# KiCad board panel-16.kicad_pcb (continued)
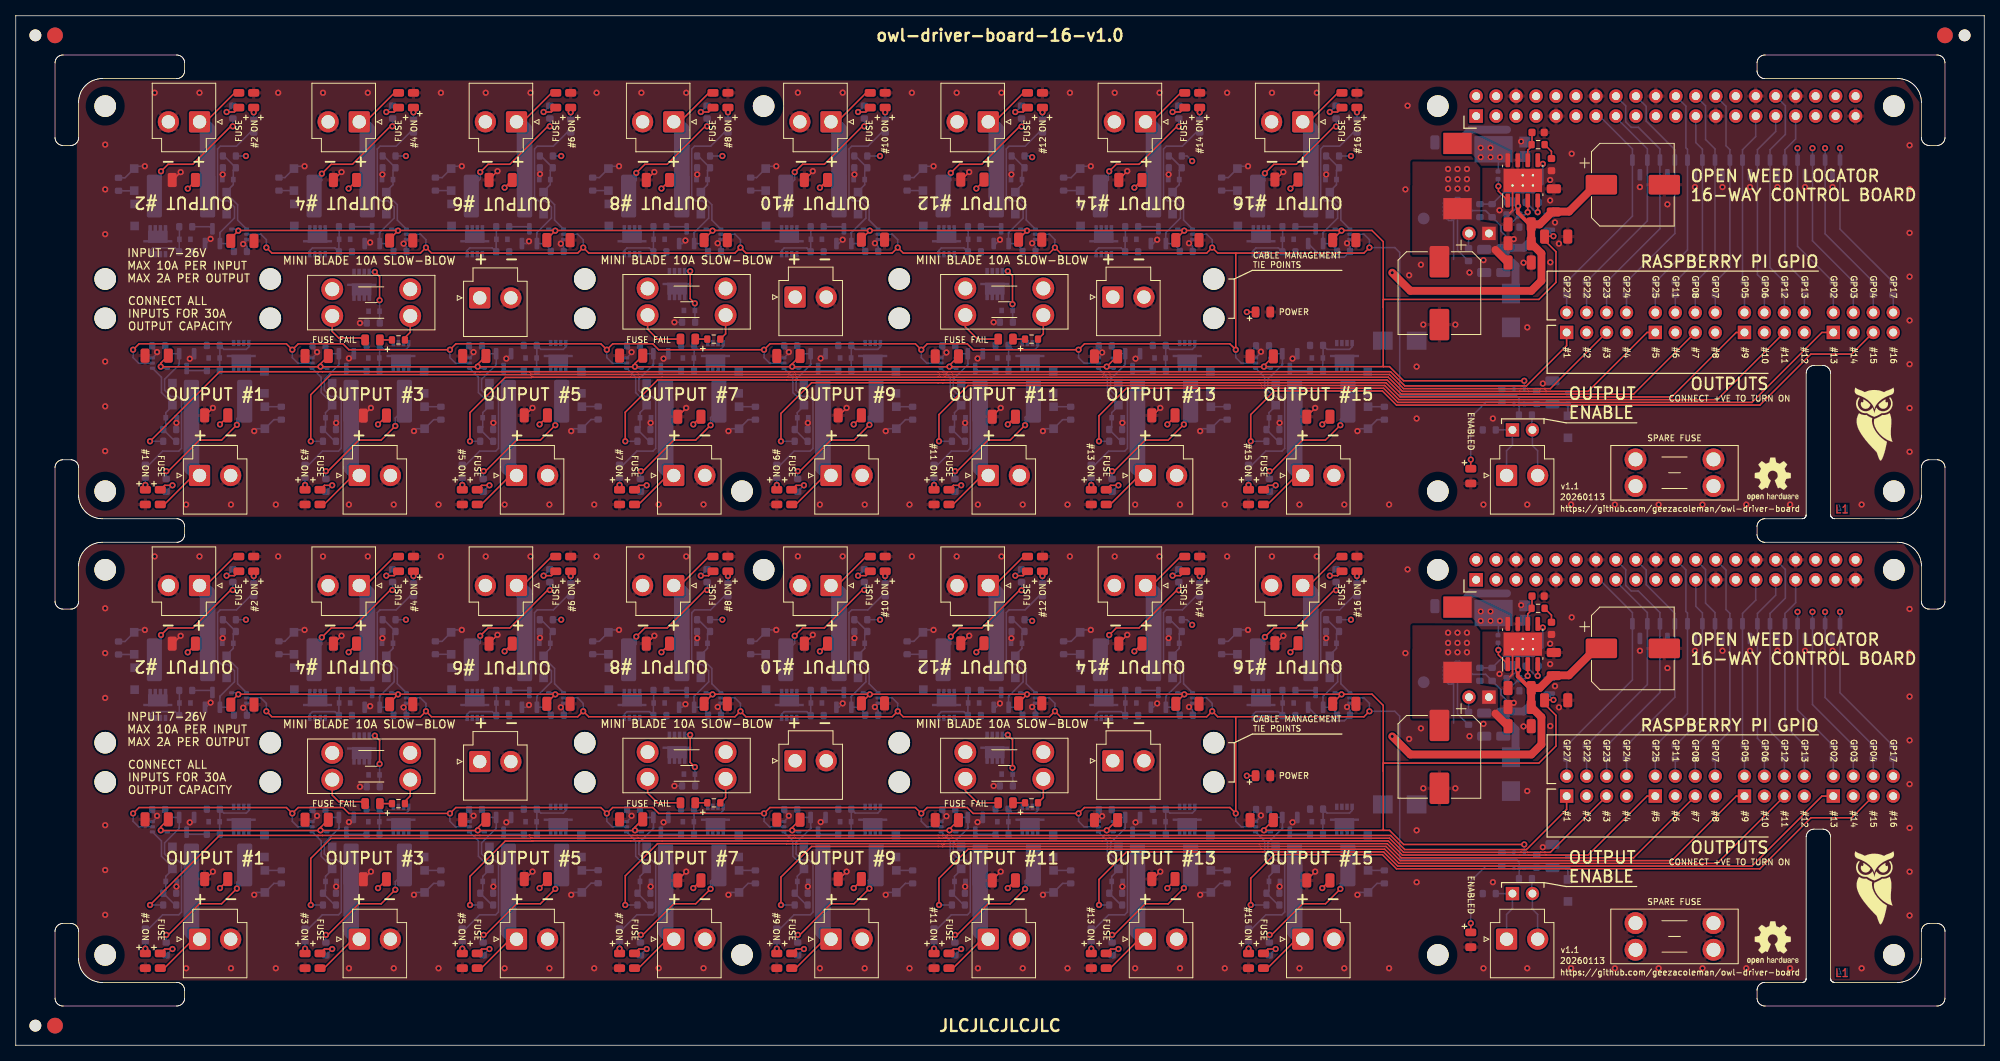
[diagram p0: board, top side]
## Placement (name value [footprint] x y rotation side) (continued)
D117  DSK34  [D_SOD-123F_silkpolarity]  172 20.85 270 bottom
D117#2  DSK34  [D_SOD-123F_silkpolarity]  172 79.85 270 bottom
D118  KT-0805Y  [LED_0805_2012Metric]  158.7 69.75 90 top
D118#2  KT-0805Y  [LED_0805_2012Metric]  158.7 10.75 90 top
D119  DSK34  [D_SOD-123F_silkpolarity]  167.14 48.15 90 bottom
D119#2  DSK34  [D_SOD-123F_silkpolarity]  167.14 107.15 90 bottom
D120  BZT52C5V1T  [D_SOD-523_silkpolarity]  167.29 110.15 180 bottom
D120#2  BZT52C5V1T  [D_SOD-523_silkpolarity]  167.29 51.15 180 bottom
D121  KT-0805G  [LED_0805_2012Metric]  170.59 120.25 270 top
D121#2  KT-0805G  [LED_0805_2012Metric]  170.59 61.25 270 top
D122  BZT585B13T-7 13V  [D_SOD-523_silkpolarity]  161.84 43.55 180 bottom
D122#2  BZT585B13T-7 13V  [D_SOD-523_silkpolarity]  161.84 102.55 180 bottom
D123  DSK34  [D_SOD-123F_silkpolarity]  155.44 46.65 90 bottom
D123#2  DSK34  [D_SOD-123F_silkpolarity]  155.44 105.65 90 bottom
D124  DSK34  [D_SOD-123F_silkpolarity]  155.39 51.15 90 bottom
D124#2  DSK34  [D_SOD-123F_silkpolarity]  155.39 110.15 90 bottom
D125  KT-0805Y  [LED_0805_2012Metric]  168.69 120.25 270 top
D125#2  KT-0805Y  [LED_0805_2012Metric]  168.69 61.25 270 top
D126  AZ23C3V3  [SOT-23_nosilk]  213.58 52.7 270 bottom
D126#2  AZ23C3V3  [SOT-23_nosilk]  213.58 111.7 270 bottom
D127  AZ23C3V3  [SOT-23_nosilk]  217.08 111.7 270 bottom
D127#2  AZ23C3V3  [SOT-23_nosilk]  217.08 52.7 270 bottom
D128  AZ23C3V3  [SOT-23_nosilk]  227.58 111.7 270 bottom
D128#2  AZ23C3V3  [SOT-23_nosilk]  227.58 52.7 270 bottom
D129  AZ23C3V3  [SOT-23_nosilk]  231.08 111.7 270 bottom
D129#2  AZ23C3V3  [SOT-23_nosilk]  231.08 52.7 270 bottom
D130  AZ23C3V3  [SOT-23_nosilk]  224.08 52.7 270 bottom
D130#2  AZ23C3V3  [SOT-23_nosilk]  224.08 111.7 270 bottom
D131  AZ23C3V3  [SOT-23_nosilk]  220.58 111.7 270 bottom
D131#2  AZ23C3V3  [SOT-23_nosilk]  220.58 52.7 270 bottom
D132  KT-0805Y  [LED_0805_2012Metric]  125.9 30.85 0 top
D132#2  KT-0805Y  [LED_0805_2012Metric]  125.9 89.85 0 top
D133  BZT52C5V1T  [D_SOD-523_silkpolarity]  126.1 93.5 0 bottom
D133#2  BZT52C5V1T  [D_SOD-523_silkpolarity]  126.1 34.5 0 bottom
F1  XF-508P-B-B  [Fuseholder_Blade_Mini_Keystone_3568]  50.18 33.8 180 top
F1#2  XF-508P-B-B  [Fuseholder_Blade_Mini_Keystone_3568]  50.18 92.8 180 top
F2  2920L200DR  [Fuse_2920_7451Metric_nosilk]  25.74 22.95 180 bottom
F2#2  2920L200DR  [Fuse_2920_7451Metric_nosilk]  25.74 81.95 180 bottom
F3  2920L200DR  [Fuse_2920_7451Metric_nosilk]  21.02 49.05 0 bottom
F3#2  2920L200DR  [Fuse_2920_7451Metric_nosilk]  21.02 108.05 0 bottom
F4  2920L200DR  [Fuse_2920_7451Metric_nosilk]  46.05 81.95 180 bottom
F4#2  2920L200DR  [Fuse_2920_7451Metric_nosilk]  46.05 22.95 180 bottom
F5  2920L200DR  [Fuse_2920_7451Metric_nosilk]  41.34 108.05 0 bottom
F5#2  2920L200DR  [Fuse_2920_7451Metric_nosilk]  41.34 49.05 0 bottom
F6  2920L200DR  [Fuse_2920_7451Metric_nosilk]  66.05 81.95 180 bottom
F6#2  2920L200DR  [Fuse_2920_7451Metric_nosilk]  66.05 22.95 180 bottom
F7  2920L200DR  [Fuse_2920_7451Metric_nosilk]  61.34 108.05 0 bottom
F7#2  2920L200DR  [Fuse_2920_7451Metric_nosilk]  61.34 49.05 0 bottom
F8  2920L200DR  [Fuse_2920_7451Metric_nosilk]  86.05 22.95 180 bottom
F8#2  2920L200DR  [Fuse_2920_7451Metric_nosilk]  86.05 81.95 180 bottom
F9  2920L200DR  [Fuse_2920_7451Metric_nosilk]  81.34 49.05 0 bottom
F9#2  2920L200DR  [Fuse_2920_7451Metric_nosilk]  81.34 108.05 0 bottom
F10  2920L200DR  [Fuse_2920_7451Metric_nosilk]  106.05 22.95 180 bottom
F10#2  2920L200DR  [Fuse_2920_7451Metric_nosilk]  106.05 81.95 180 bottom
F11  2920L200DR  [Fuse_2920_7451Metric_nosilk]  101.34 108.05 0 bottom
F11#2  2920L200DR  [Fuse_2920_7451Metric_nosilk]  101.34 49.05 0 bottom
F12  2920L200DR  [Fuse_2920_7451Metric_nosilk]  126.05 22.95 180 bottom
F12#2  2920L200DR  [Fuse_2920_7451Metric_nosilk]  126.05 81.95 180 bottom
F13  2920L200DR  [Fuse_2920_7451Metric_nosilk]  121.34 108.05 0 bottom
F13#2  2920L200DR  [Fuse_2920_7451Metric_nosilk]  121.34 49.05 0 bottom
F14  2920L200DR  [Fuse_2920_7451Metric_nosilk]  146.05 81.95 180 bottom
F14#2  2920L200DR  [Fuse_2920_7451Metric_nosilk]  146.05 22.95 180 bottom
F15  2920L200DR  [Fuse_2920_7451Metric_nosilk]  141.34 108.05 0 bottom
F15#2  2920L200DR  [Fuse_2920_7451Metric_nosilk]  141.34 49.05 0 bottom
F16  2920L200DR  [Fuse_2920_7451Metric_nosilk]  166.05 81.95 180 bottom
F16#2  2920L200DR  [Fuse_2920_7451Metric_nosilk]  166.05 22.95 180 bottom
F17  2920L200DR  [Fuse_2920_7451Metric_nosilk]  161.34 108.05 0 bottom
F17#2  2920L200DR  [Fuse_2920_7451Metric_nosilk]  161.34 49.05 0 bottom
F18  XF-508P-B-B  [Fuseholder_Blade_Mini_Keystone_3568]  90.29 92.9 180 top
F18#2  XF-508P-B-B  [Fuseholder_Blade_Mini_Keystone_3568]  90.29 33.9 180 top
F19  XF-508P-B-B  [Fuseholder_Blade_Mini_Keystone_3568]  130.7 92.9 180 top
F19#2  XF-508P-B-B  [Fuseholder_Blade_Mini_Keystone_3568]  130.7 33.9 180 top
F20  XF-508P-B-B  [Fuseholder_Blade_Mini_Keystone_3568]  206.02 15.55 0 top
F20#2  XF-508P-B-B  [Fuseholder_Blade_Mini_Keystone_3568]  206.02 74.55 0 top
J2  RASPBERRYPI-40-PIN-GPIO  [Pin_Header_Straight_2x20]  209.88 119.5 90 top
J2#2  RASPBERRYPI-40-PIN-GPIO  [Pin_Header_Straight_2x20]  209.88 60.5 90 top
J3  1890963  [JST_VH_B2P-VH_1x02_P3.96mm_Vertical]  59.02 36.1 0 top
J3#2  1890963  [JST_VH_B2P-VH_1x02_P3.96mm_Vertical]  59.02 95.1 0 top
J4  1890963  [JST_VH_B2P-VH_1x02_P3.96mm_Vertical]  23.38 13.5 0 top
J4#2  1890963  [JST_VH_B2P-VH_1x02_P3.96mm_Vertical]  23.38 72.5 0 top
J5  1890963  [JST_VH_B2P-VH_1x02_P3.96mm_Vertical]  23.38 58.5 180 top
J5#2  1890963  [JST_VH_B2P-VH_1x02_P3.96mm_Vertical]  23.38 117.5 180 top
J6  CONN_04X2  [Connector_PinHeader_2x04_P2.54mm_Vertical_nosilk]  197.26 90.7 90 top
J6#2  CONN_04X2  [Connector_PinHeader_2x04_P2.54mm_Vertical_nosilk]  197.26 31.7 90 top
J7  1890963  [JST_VH_B2P-VH_1x02_P3.96mm_Vertical]  43.69 13.5 0 top
J7#2  1890963  [JST_VH_B2P-VH_1x02_P3.96mm_Vertical]  43.69 72.5 0 top
J8  1890963  [JST_VH_B2P-VH_1x02_P3.96mm_Vertical]  43.69 117.5 180 top
J8#2  1890963  [JST_VH_B2P-VH_1x02_P3.96mm_Vertical]  43.69 58.5 180 top
J9  PI 5V  [PinHeader_1x02_P2.54mm_Vertical_nosilk]  187.38 44.3 270 top
J9#2  PI 5V  [PinHeader_1x02_P2.54mm_Vertical_nosilk]  187.38 103.3 270 top
J10  1890963  [JST_VH_B2P-VH_1x02_P3.96mm_Vertical]  189.62 13.5 0 top
J10#2  1890963  [JST_VH_B2P-VH_1x02_P3.96mm_Vertical]  189.62 72.5 0 top
J11  ENABLE  [PinHeader_1x02_P2.54mm_Vertical_nosilk]  190.37 78.3 90 top
J11#2  ENABLE  [PinHeader_1x02_P2.54mm_Vertical_nosilk]  190.37 19.3 90 top
J12  1890963  [JST_VH_B2P-VH_1x02_P3.96mm_Vertical]  63.69 13.5 0 top
J12#2  1890963  [JST_VH_B2P-VH_1x02_P3.96mm_Vertical]  63.69 72.5 0 top
J13  1890963  [JST_VH_B2P-VH_1x02_P3.96mm_Vertical]  63.69 58.5 180 top
J13#2  1890963  [JST_VH_B2P-VH_1x02_P3.96mm_Vertical]  63.69 117.5 180 top
J14  1890963  [JST_VH_B2P-VH_1x02_P3.96mm_Vertical]  83.69 72.5 0 top
J14#2  1890963  [JST_VH_B2P-VH_1x02_P3.96mm_Vertical]  83.69 13.5 0 top
J15  1890963  [JST_VH_B2P-VH_1x02_P3.96mm_Vertical]  83.69 58.5 180 top
J15#2  1890963  [JST_VH_B2P-VH_1x02_P3.96mm_Vertical]  83.69 117.5 180 top
J16  1890963  [JST_VH_B2P-VH_1x02_P3.96mm_Vertical]  103.69 72.5 0 top
J16#2  1890963  [JST_VH_B2P-VH_1x02_P3.96mm_Vertical]  103.69 13.5 0 top
J17  1890963  [JST_VH_B2P-VH_1x02_P3.96mm_Vertical]  103.69 117.5 180 top
J17#2  1890963  [JST_VH_B2P-VH_1x02_P3.96mm_Vertical]  103.69 58.5 180 top
J18  1890963  [JST_VH_B2P-VH_1x02_P3.96mm_Vertical]  123.69 72.5 0 top
J18#2  1890963  [JST_VH_B2P-VH_1x02_P3.96mm_Vertical]  123.69 13.5 0 top
J19  1890963  [JST_VH_B2P-VH_1x02_P3.96mm_Vertical]  123.69 58.5 180 top
J19#2  1890963  [JST_VH_B2P-VH_1x02_P3.96mm_Vertical]  123.69 117.5 180 top
J20  1890963  [JST_VH_B2P-VH_1x02_P3.96mm_Vertical]  143.69 72.5 0 top
J20#2  1890963  [JST_VH_B2P-VH_1x02_P3.96mm_Vertical]  143.69 13.5 0 top
J21  1890963  [JST_VH_B2P-VH_1x02_P3.96mm_Vertical]  143.69 117.5 180 top
J21#2  1890963  [JST_VH_B2P-VH_1x02_P3.96mm_Vertical]  143.69 58.5 180 top
J22  1890963  [JST_VH_B2P-VH_1x02_P3.96mm_Vertical]  163.69 72.5 0 top
J22#2  1890963  [JST_VH_B2P-VH_1x02_P3.96mm_Vertical]  163.69 13.5 0 top
J23  1890963  [JST_VH_B2P-VH_1x02_P3.96mm_Vertical]  163.69 58.5 180 top
J23#2  1890963  [JST_VH_B2P-VH_1x02_P3.96mm_Vertical]  163.69 117.5 180 top
J24  1890963  [JST_VH_B2P-VH_1x02_P3.96mm_Vertical]  99.13 36.2 0 top
J24#2  1890963  [JST_VH_B2P-VH_1x02_P3.96mm_Vertical]  99.13 95.2 0 top
J25  CONN_04X2  [Connector_PinHeader_2x04_P2.54mm_Vertical_nosilk]  208.54 90.7 90 top
J25#2  CONN_04X2  [Connector_PinHeader_2x04_P2.54mm_Vertical_nosilk]  208.54 31.7 90 top
J26  1890963  [JST_VH_B2P-VH_1x02_P3.96mm_Vertical]  139.54 36.2 0 top
J26#2  1890963  [JST_VH_B2P-VH_1x02_P3.96mm_Vertical]  139.54 95.2 0 top
J27  CONN_04X2  [Connector_PinHeader_2x04_P2.54mm_Vertical_nosilk]  219.88 31.7 90 top
J27#2  CONN_04X2  [Connector_PinHeader_2x04_P2.54mm_Vertical_nosilk]  219.88 90.7 90 top
J29  CONN_04X2  [Connector_PinHeader_2x04_P2.54mm_Vertical_nosilk]  231.18 90.7 90 top
J29#2  CONN_04X2  [Connector_PinHeader_2x04_P2.54mm_Vertical_nosilk]  231.18 31.7 90 top
KiKit_FID_B_1  -  [Fiducial]  5 128.5 180 bottom
KiKit_FID_B_2  -  [Fiducial]  245.38 128.5 180 bottom
KiKit_FID_B_3  -  [Fiducial]  5 2.5 180 bottom
KiKit_FID_T_1  -  [Fiducial]  5 128.5 0 top
KiKit_FID_T_2  -  [Fiducial]  245.38 128.5 0 top
KiKit_FID_T_3  -  [Fiducial]  5 2.5 0 top
KiKit_TO_1  -  [NPTH]  2.5 128.5 0 top
KiKit_TO_2  -  [NPTH]  247.88 128.5 0 top
KiKit_TO_3  -  [NPTH]  2.5 2.5 0 top
L1  10uH  [L_10.4x10.4_H4.8]  183.38 51.6 270 top
L1#2  10uH  [L_10.4x10.4_H4.8]  183.38 110.6 270 top
LOGO1  -  [OSHW-Logo2_7.3x6mm_SilkScreen]  223.48 13.03 0 top
LOGO1#2  -  [OSHW-Logo2_7.3x6mm_SilkScreen]  223.48 72.03 0 top
NPTH1  -  [RPi_Hat_Mounting_Hole]  95.13 60.5 0 top
NPTH1#2  -  [RPi_Hat_Mounting_Hole]  95.13 119.5 0 top
NPTH2  -  [RPi_Hat_Mounting_Hole]  11.38 119.5 0 top
NPTH2#2  -  [RPi_Hat_Mounting_Hole]  11.38 60.5 0 top
NPTH3  -  [RPi_Hat_Mounting_Hole]  11.38 70.5 0 top
NPTH3#2  -  [RPi_Hat_Mounting_Hole]  11.38 11.5 0 top
NPTH4  -  [RPi_Hat_Mounting_Hole]  92.38 70.5 0 top
NPTH4#2  -  [RPi_Hat_Mounting_Hole]  92.38 11.5 0 top
NPTH5  -  [RPi_Hat_Mounting_Hole]  11.38 97.5 0 top
NPTH5#2  -  [RPi_Hat_Mounting_Hole]  11.38 38.5 0 top
NPTH6  -  [RPi_Hat_Mounting_Hole]  11.38 33.5 0 top
NPTH6#2  -  [RPi_Hat_Mounting_Hole]  11.38 92.5 0 top
NPTH7  -  [RPi_Hat_Mounting_Hole]  32.38 97.5 0 top
NPTH7#2  -  [RPi_Hat_Mounting_Hole]  32.38 38.5 0 top
NPTH8  -  [RPi_Hat_Mounting_Hole]  32.38 33.5 0 top
NPTH8#2  -  [RPi_Hat_Mounting_Hole]  32.38 92.5 0 top
NPTH9  -  [RPi_Hat_Mounting_Hole]  72.38 97.5 0 top
NPTH9#2  -  [RPi_Hat_Mounting_Hole]  72.38 38.5 0 top
NPTH10  -  [RPi_Hat_Mounting_Hole]  72.38 92.5 0 top
NPTH10#2  -  [RPi_Hat_Mounting_Hole]  72.38 33.5 0 top
NPTH11  -  [RPi_Hat_Mounting_Hole]  112.38 38.5 0 top
NPTH11#2  -  [RPi_Hat_Mounting_Hole]  112.38 97.5 0 top
NPTH12  -  [RPi_Hat_Mounting_Hole]  112.38 33.5 0 top
NPTH12#2  -  [RPi_Hat_Mounting_Hole]  112.38 92.5 0 top
NPTH13  -  [RPi_Hat_Mounting_Hole]  152.38 97.5 0 top
NPTH13#2  -  [RPi_Hat_Mounting_Hole]  152.38 38.5 0 top
NPTH14  -  [RPi_Hat_Mounting_Hole]  152.38 92.5 0 top
NPTH14#2  -  [RPi_Hat_Mounting_Hole]  152.38 33.5 0 top
PI1  -  [RPi_Hat_Mounting_Hole]  238.88 60.5 0 top
PI1#2  -  [RPi_Hat_Mounting_Hole]  238.88 119.5 0 top
PI2  -  [RPi_Hat_Mounting_Hole]  238.88 11.5 0 top
PI2#2  -  [RPi_Hat_Mounting_Hole]  238.88 70.5 0 top
PI3  -  [RPi_Hat_Mounting_Hole]  180.88 60.5 0 top
PI3#2  -  [RPi_Hat_Mounting_Hole]  180.88 119.5 0 top
PI4  -  [RPi_Hat_Mounting_Hole]  180.88 70.5 0 top
PI4#2  -  [RPi_Hat_Mounting_Hole]  180.88 11.5 0 top
Q1  AGM60P85AP  [PDFN-8-3.3x3.3]  41.15 35.66 180 bottom
Q1#2  AGM60P85AP  [PDFN-8-3.3x3.3]  41.15 94.66 180 bottom
Q2  AGM60P85AP  [PDFN-8-3.3x3.3]  25.84 26.6 180 bottom
Q2#2  AGM60P85AP  [PDFN-8-3.3x3.3]  25.84 85.6 180 bottom
Q3  AGM60P85AP  [PDFN-8-3.3x3.3]  20.92 45.4 0 bottom
Q3#2  AGM60P85AP  [PDFN-8-3.3x3.3]  20.92 104.4 0 bottom
Q4  2N7002  [SOT-23_nosilk]  21.74 28.05 270 bottom
Q4#2  2N7002  [SOT-23_nosilk]  21.74 87.05 270 bottom
Q5  2N7002  [SOT-23_nosilk]  25.02 43.95 90 bottom
Q5#2  2N7002  [SOT-23_nosilk]  25.02 102.95 90 bottom
Q6  2N7002  [SOT-23_nosilk]  42.05 87.05 270 bottom
Q6#2  2N7002  [SOT-23_nosilk]  42.05 28.05 270 bottom
Q7  AGM60P85AP  [PDFN-8-3.3x3.3]  46.15 85.6 180 bottom
Q7#2  AGM60P85AP  [PDFN-8-3.3x3.3]  46.15 26.6 180 bottom
Q8  2N7002  [SOT-23_nosilk]  45.34 43.95 90 bottom
Q8#2  2N7002  [SOT-23_nosilk]  45.34 102.95 90 bottom
Q9  AGM60P85AP  [PDFN-8-3.3x3.3]  41.24 45.4 0 bottom
Q9#2  AGM60P85AP  [PDFN-8-3.3x3.3]  41.24 104.4 0 bottom
Q10  2N7002  [SOT-23_nosilk]  62.05 28.05 270 bottom
Q10#2  2N7002  [SOT-23_nosilk]  62.05 87.05 270 bottom
Q11  AGM60P85AP  [PDFN-8-3.3x3.3]  66.15 26.6 180 bottom
Q11#2  AGM60P85AP  [PDFN-8-3.3x3.3]  66.15 85.6 180 bottom
Q12  2N7002  [SOT-23_nosilk]  65.34 102.95 90 bottom
Q12#2  2N7002  [SOT-23_nosilk]  65.34 43.95 90 bottom
Q13  AGM60P85AP  [PDFN-8-3.3x3.3]  61.24 45.4 0 bottom
Q13#2  AGM60P85AP  [PDFN-8-3.3x3.3]  61.24 104.4 0 bottom
Q14  2N7002  [SOT-23_nosilk]  82.05 28.05 270 bottom
Q14#2  2N7002  [SOT-23_nosilk]  82.05 87.05 270 bottom
Q15  AGM60P85AP  [PDFN-8-3.3x3.3]  86.15 85.6 180 bottom
Q15#2  AGM60P85AP  [PDFN-8-3.3x3.3]  86.15 26.6 180 bottom
Q16  2N7002  [SOT-23_nosilk]  85.34 43.95 90 bottom
Q16#2  2N7002  [SOT-23_nosilk]  85.34 102.95 90 bottom
Q17  AGM60P85AP  [PDFN-8-3.3x3.3]  81.24 104.4 0 bottom
Q17#2  AGM60P85AP  [PDFN-8-3.3x3.3]  81.24 45.4 0 bottom
Q18  2N7002  [SOT-23_nosilk]  102.05 87.05 270 bottom
Q18#2  2N7002  [SOT-23_nosilk]  102.05 28.05 270 bottom
Q19  AGM60P85AP  [PDFN-8-3.3x3.3]  106.15 85.6 180 bottom
Q19#2  AGM60P85AP  [PDFN-8-3.3x3.3]  106.15 26.6 180 bottom
Q20  2N7002  [SOT-23_nosilk]  105.34 102.95 90 bottom
Q20#2  2N7002  [SOT-23_nosilk]  105.34 43.95 90 bottom
Q21  AGM60P85AP  [PDFN-8-3.3x3.3]  101.24 104.4 0 bottom
Q21#2  AGM60P85AP  [PDFN-8-3.3x3.3]  101.24 45.4 0 bottom
Q22  2N7002  [SOT-23_nosilk]  122.05 28.05 270 bottom
Q22#2  2N7002  [SOT-23_nosilk]  122.05 87.05 270 bottom
Q23  AGM60P85AP  [PDFN-8-3.3x3.3]  126.15 85.6 180 bottom
Q23#2  AGM60P85AP  [PDFN-8-3.3x3.3]  126.15 26.6 180 bottom
Q24  2N7002  [SOT-23_nosilk]  125.34 102.95 90 bottom
Q24#2  2N7002  [SOT-23_nosilk]  125.34 43.95 90 bottom
Q25  AGM60P85AP  [PDFN-8-3.3x3.3]  121.24 104.4 0 bottom
Q25#2  AGM60P85AP  [PDFN-8-3.3x3.3]  121.24 45.4 0 bottom
Q26  2N7002  [SOT-23_nosilk]  142.05 28.05 270 bottom
Q26#2  2N7002  [SOT-23_nosilk]  142.05 87.05 270 bottom
Q27  AGM60P85AP  [PDFN-8-3.3x3.3]  146.15 26.6 180 bottom
Q27#2  AGM60P85AP  [PDFN-8-3.3x3.3]  146.15 85.6 180 bottom
Q28  2N7002  [SOT-23_nosilk]  145.34 43.95 90 bottom
Q28#2  2N7002  [SOT-23_nosilk]  145.34 102.95 90 bottom
Q29  AGM60P85AP  [PDFN-8-3.3x3.3]  141.24 104.4 0 bottom
Q29#2  AGM60P85AP  [PDFN-8-3.3x3.3]  141.24 45.4 0 bottom
Q30  2N7002  [SOT-23_nosilk]  162.05 28.05 270 bottom
Q30#2  2N7002  [SOT-23_nosilk]  162.05 87.05 270 bottom
Q31  AGM60P85AP  [PDFN-8-3.3x3.3]  166.15 26.6 180 bottom
Q31#2  AGM60P85AP  [PDFN-8-3.3x3.3]  166.15 85.6 180 bottom
Q32  2N7002  [SOT-23_nosilk]  165.34 43.95 90 bottom
Q32#2  2N7002  [SOT-23_nosilk]  165.34 102.95 90 bottom
Q33  AGM60P85AP  [PDFN-8-3.3x3.3]  161.24 104.4 0 bottom
Q33#2  AGM60P85AP  [PDFN-8-3.3x3.3]  161.24 45.4 0 bottom
Q34  AGM60P85AP  [PDFN-8-3.3x3.3]  81.26 94.76 180 bottom
Q34#2  AGM60P85AP  [PDFN-8-3.3x3.3]  81.26 35.76 180 bottom
Q35  AGM60P85AP  [PDFN-8-3.3x3.3]  121.67 35.76 180 bottom
Q35#2  AGM60P85AP  [PDFN-8-3.3x3.3]  121.67 94.76 180 bottom
R1  1k  [R_0603_1608Metric]  48.68 30.75 0 top
R1#2  1k  [R_0603_1608Metric]  48.68 89.75 0 top
R2  1k  [R_0603_1608Metric]  25.14 30.05 180 bottom
R2#2  1k  [R_0603_1608Metric]  25.14 89.05 180 bottom
R3  1k  [R_0603_1608Metric]  21.62 100.95 0 bottom
R3#2  1k  [R_0603_1608Metric]  21.62 41.95 0 bottom
R4  1k  [R_0603_1608Metric]  19.14 12.25 90 bottom
R4#2  1k  [R_0603_1608Metric]  19.14 71.25 90 bottom
R5  1k  [R_0603_1608Metric]  27.62 59.75 270 bottom
R5#2  1k  [R_0603_1608Metric]  27.62 118.75 270 bottom
R6  470  [R_0603_1608Metric]  25.14 26.85 0 bottom
R6#2  470  [R_0603_1608Metric]  25.14 85.85 0 bottom
R7  470  [R_0603_1608Metric]  21.62 45.15 180 bottom
R7#2  470  [R_0603_1608Metric]  21.62 104.15 180 bottom
R8  10k  [R_0603_1608Metric]  45.48 32.9 0 bottom
R8#2  10k  [R_0603_1608Metric]  45.48 91.9 0 bottom
R9  1k  [R_0603_1608Metric]  19.59 76.85 180 bottom
R9#2  1k  [R_0603_1608Metric]  19.59 17.85 180 bottom
R10  1k  [R_0603_1608Metric]  27.17 54.15 0 bottom
R10#2  1k  [R_0603_1608Metric]  27.17 113.15 0 bottom
R11  10k  [R_0603_1608Metric]  18.18 89 0 bottom
R11#2  10k  [R_0603_1608Metric]  18.18 30 0 bottom
R12  10k  [R_0603_1608Metric]  28.58 42 180 bottom
R12#2  10k  [R_0603_1608Metric]  28.58 101 180 bottom
R13  1k  [R_0603_1608Metric]  39.9 76.85 180 bottom
R13#2  1k  [R_0603_1608Metric]  39.9 17.85 180 bottom
R14  10k  [R_0603_1608Metric]  38.58 89 0 bottom
R14#2  10k  [R_0603_1608Metric]  38.58 30 0 bottom
R15  1k  [R_0603_1608Metric]  45.45 89.05 180 bottom
R15#2  1k  [R_0603_1608Metric]  45.45 30.05 180 bottom
R16  470  [R_0603_1608Metric]  45.45 26.85 0 bottom
R16#2  470  [R_0603_1608Metric]  45.45 85.85 0 bottom
R17  1k  [R_0603_1608Metric]  39.45 71.25 90 bottom
R17#2  1k  [R_0603_1608Metric]  39.45 12.25 90 bottom
R18  1k  [R_0603_1608Metric]  47.49 54.15 0 bottom
R18#2  1k  [R_0603_1608Metric]  47.49 113.15 0 bottom
R19  10k  [R_0603_1608Metric]  48.88 42 180 bottom
R19#2  10k  [R_0603_1608Metric]  48.88 101 180 bottom
R20  1k  [R_0603_1608Metric]  41.94 41.95 0 bottom
R20#2  1k  [R_0603_1608Metric]  41.94 100.95 0 bottom
R21  470  [R_0603_1608Metric]  41.94 104.15 180 bottom
R21#2  470  [R_0603_1608Metric]  41.94 45.15 180 bottom
R22  1k  [R_0603_1608Metric]  47.94 118.75 270 bottom
R22#2  1k  [R_0603_1608Metric]  47.94 59.75 270 bottom
R23  1k  [R_0603_1608Metric]  158.63 93.3 0 bottom
R23#2  1k  [R_0603_1608Metric]  158.63 34.3 0 bottom
R24  1k  [R_0603_1608Metric]  88.79 89.85 0 top
R24#2  1k  [R_0603_1608Metric]  88.79 30.85 0 top
R25  10k  [R_0603_1608Metric]  85.59 92 0 bottom
R25#2  10k  [R_0603_1608Metric]  85.59 33 0 bottom
R26  1k  [R_0603_1608Metric]  129.2 89.85 0 top
R26#2  1k  [R_0603_1608Metric]  129.2 30.85 0 top
R27  10k  [R_0603_1608Metric]  126 92 0 bottom
R27#2  10k  [R_0603_1608Metric]  126 33 0 bottom
R29  470  [R_0603_1608Metric]  199.76 96.3 270 bottom
R29#2  470  [R_0603_1608Metric]  199.76 37.3 270 bottom
R30  470  [R_0603_1608Metric]  202.36 96.3 270 bottom
R30#2  470  [R_0603_1608Metric]  202.36 37.3 270 bottom
R31  470  [R_0603_1608Metric]  204.86 96.3 270 bottom
R31#2  470  [R_0603_1608Metric]  204.86 37.3 270 bottom
R32  470  [R_0603_1608Metric]  216.16 96.3 270 bottom
R32#2  470  [R_0603_1608Metric]  216.16 37.3 270 bottom
R33  470  [R_0603_1608Metric]  213.66 96.3 270 bottom
R33#2  470  [R_0603_1608Metric]  213.66 37.3 270 bottom
R34  470  [R_0603_1608Metric]  211.06 37.3 270 bottom
R34#2  470  [R_0603_1608Metric]  211.06 96.3 270 bottom
R35  470  [R_0603_1608Metric]  238.76 37.3 270 bottom
R35#2  470  [R_0603_1608Metric]  238.76 96.3 270 bottom
R36  470  [R_0603_1608Metric]  236.26 37.3 270 bottom
R36#2  470  [R_0603_1608Metric]  236.26 96.3 270 bottom
R37  470  [R_0603_1608Metric]  233.76 37.3 270 bottom
R37#2  470  [R_0603_1608Metric]  233.76 96.3 270 bottom
R38  470  [R_0603_1608Metric]  197.26 37.3 270 bottom
R38#2  470  [R_0603_1608Metric]  197.26 96.3 270 bottom
R39  470  [R_0603_1608Metric]  208.56 37.3 270 bottom
R39#2  470  [R_0603_1608Metric]  208.56 96.3 270 bottom
R40  470  [R_0603_1608Metric]  231.16 37.3 270 bottom
R40#2  470  [R_0603_1608Metric]  231.16 96.3 270 bottom
R41  165k  [R_0603_1608Metric]  190.43 105.65 180 bottom
R41#2  165k  [R_0603_1608Metric]  190.43 46.65 180 bottom
R42  10.2k  [R_0603_1608Metric]  186.23 47.2 270 bottom
R42#2  10.2k  [R_0603_1608Metric]  186.23 106.2 270 bottom
R43  43k  [R_0603_1608Metric]  190.43 104.1 180 bottom
R43#2  43k  [R_0603_1608Metric]  190.43 45.1 180 bottom
R44  14k  [R_0603_1608Metric]  193.63 55.6 0 top
R44#2  14k  [R_0603_1608Metric]  193.63 114.6 0 top
R45  1.87k  [R_0603_1608Metric]  187.78 47.2 90 bottom
R45#2  1.87k  [R_0603_1608Metric]  187.78 106.2 90 bottom
R46  360k  [R_0603_1608Metric]  184.78 100.6 90 bottom
R46#2  360k  [R_0603_1608Metric]  184.78 41.6 90 bottom
R47  10k  [R_0603_1608Metric]  193.44 23.43 90 bottom
R47#2  10k  [R_0603_1608Metric]  193.44 82.43 90 bottom
R48  1k  [R_0603_1608Metric]  187.42 19.3 0 bottom
R48#2  1k  [R_0603_1608Metric]  187.42 78.3 0 bottom
R49  1k  [R_0603_1608Metric]  192.02 21.2 180 bottom
R49#2  1k  [R_0603_1608Metric]  192.02 80.2 180 bottom
R50  1k  [R_0603_1608Metric]  59.9 76.85 180 bottom
R50#2  1k  [R_0603_1608Metric]  59.9 17.85 180 bottom
R51  10k  [R_0603_1608Metric]  58.48 30 0 bottom
R51#2  10k  [R_0603_1608Metric]  58.48 89 0 bottom
R52  1k  [R_0603_1608Metric]  65.45 89.05 180 bottom
R52#2  1k  [R_0603_1608Metric]  65.45 30.05 180 bottom
R53  10k  [R_0603_1608Metric]  19.59 19.35 180 bottom
R53#2  10k  [R_0603_1608Metric]  19.59 78.35 180 bottom
R54  10k  [R_0603_1608Metric]  27.17 52.65 0 bottom
R54#2  10k  [R_0603_1608Metric]  27.17 111.65 0 bottom
R55  470  [R_0603_1608Metric]  189.02 23.65 90 bottom
R55#2  470  [R_0603_1608Metric]  189.02 82.65 90 bottom
R56  10k  [R_0603_1608Metric]  39.9 78.35 180 bottom
R56#2  10k  [R_0603_1608Metric]  39.9 19.35 180 bottom
R57  10k  [R_0603_1608Metric]  47.49 52.65 0 bottom
R57#2  10k  [R_0603_1608Metric]  47.49 111.65 0 bottom
R58  470  [R_0603_1608Metric]  16.49 14.05 90 bottom
R58#2  470  [R_0603_1608Metric]  16.49 73.05 90 bottom
R59  470  [R_0603_1608Metric]  30.27 57.95 270 bottom
R59#2  470  [R_0603_1608Metric]  30.27 116.95 270 bottom
R60  470  [R_0603_1608Metric]  36.8 14.05 90 bottom
R60#2  470  [R_0603_1608Metric]  36.8 73.05 90 bottom
R61  470  [R_0603_1608Metric]  50.59 116.95 270 bottom
R61#2  470  [R_0603_1608Metric]  50.59 57.95 270 bottom
R62  10k  [R_0603_1608Metric]  59.9 78.35 180 bottom
R62#2  10k  [R_0603_1608Metric]  59.9 19.35 180 bottom
R63  470  [R_0603_1608Metric]  56.8 73.05 90 bottom
R63#2  470  [R_0603_1608Metric]  56.8 14.05 90 bottom
R64  470  [R_0603_1608Metric]  65.45 26.85 0 bottom
R64#2  470  [R_0603_1608Metric]  65.45 85.85 0 bottom
R65  1k  [R_0603_1608Metric]  59.45 71.25 90 bottom
R65#2  1k  [R_0603_1608Metric]  59.45 12.25 90 bottom
R66  1k  [R_0603_1608Metric]  67.49 113.15 0 bottom
R66#2  1k  [R_0603_1608Metric]  67.49 54.15 0 bottom
R67  10k  [R_0603_1608Metric]  67.49 111.65 0 bottom
R67#2  10k  [R_0603_1608Metric]  67.49 52.65 0 bottom
R68  470  [R_0603_1608Metric]  70.59 57.95 270 bottom
R68#2  470  [R_0603_1608Metric]  70.59 116.95 270 bottom
R69  10k  [R_0603_1608Metric]  68.88 101 180 bottom
R69#2  10k  [R_0603_1608Metric]  68.88 42 180 bottom
R70  1k  [R_0603_1608Metric]  61.94 100.95 0 bottom
R70#2  1k  [R_0603_1608Metric]  61.94 41.95 0 bottom
R71  470  [R_0603_1608Metric]  61.94 45.15 180 bottom
R71#2  470  [R_0603_1608Metric]  61.94 104.15 180 bottom
R72  1k  [R_0603_1608Metric]  67.94 59.75 270 bottom
R72#2  1k  [R_0603_1608Metric]  67.94 118.75 270 bottom
R73  1k  [R_0603_1608Metric]  79.9 76.85 180 bottom
R73#2  1k  [R_0603_1608Metric]  79.9 17.85 180 bottom
R74  10k  [R_0603_1608Metric]  79.9 78.35 180 bottom
R74#2  10k  [R_0603_1608Metric]  79.9 19.35 180 bottom
R75  470  [R_0603_1608Metric]  76.8 14.05 90 bottom
R75#2  470  [R_0603_1608Metric]  76.8 73.05 90 bottom
R76  10k  [R_0603_1608Metric]  78.58 89 0 bottom
R76#2  10k  [R_0603_1608Metric]  78.58 30 0 bottom
R77  1k  [R_0603_1608Metric]  85.45 30.05 180 bottom
R77#2  1k  [R_0603_1608Metric]  85.45 89.05 180 bottom
R78  470  [R_0603_1608Metric]  85.45 26.85 0 bottom
R78#2  470  [R_0603_1608Metric]  85.45 85.85 0 bottom
R79  1k  [R_0603_1608Metric]  79.45 12.25 90 bottom
R79#2  1k  [R_0603_1608Metric]  79.45 71.25 90 bottom
R80  1k  [R_0603_1608Metric]  87.49 54.15 0 bottom
R80#2  1k  [R_0603_1608Metric]  87.49 113.15 0 bottom
R81  10k  [R_0603_1608Metric]  87.49 52.65 0 bottom
R81#2  10k  [R_0603_1608Metric]  87.49 111.65 0 bottom
R82  470  [R_0603_1608Metric]  90.59 116.95 270 bottom
R82#2  470  [R_0603_1608Metric]  90.59 57.95 270 bottom
R83  10k  [R_0603_1608Metric]  88.88 42 180 bottom
R83#2  10k  [R_0603_1608Metric]  88.88 101 180 bottom
R84  1k  [R_0603_1608Metric]  81.94 100.95 0 bottom
R84#2  1k  [R_0603_1608Metric]  81.94 41.95 0 bottom
R85  470  [R_0603_1608Metric]  81.94 104.15 180 bottom
R85#2  470  [R_0603_1608Metric]  81.94 45.15 180 bottom
R86  1k  [R_0603_1608Metric]  87.94 59.75 270 bottom
R86#2  1k  [R_0603_1608Metric]  87.94 118.75 270 bottom
R87  1k  [R_0603_1608Metric]  99.9 17.85 180 bottom
R87#2  1k  [R_0603_1608Metric]  99.9 76.85 180 bottom
R88  10k  [R_0603_1608Metric]  99.9 78.35 180 bottom
R88#2  10k  [R_0603_1608Metric]  99.9 19.35 180 bottom
R89  470  [R_0603_1608Metric]  96.8 14.05 90 bottom
R89#2  470  [R_0603_1608Metric]  96.8 73.05 90 bottom
R90  10k  [R_0603_1608Metric]  98.58 30 0 bottom
R90#2  10k  [R_0603_1608Metric]  98.58 89 0 bottom
R91  1k  [R_0603_1608Metric]  105.45 89.05 180 bottom
R91#2  1k  [R_0603_1608Metric]  105.45 30.05 180 bottom
R92  470  [R_0603_1608Metric]  105.45 85.85 0 bottom
R92#2  470  [R_0603_1608Metric]  105.45 26.85 0 bottom
R93  1k  [R_0603_1608Metric]  99.45 12.25 90 bottom
R93#2  1k  [R_0603_1608Metric]  99.45 71.25 90 bottom
R94  1k  [R_0603_1608Metric]  107.49 54.15 0 bottom
R94#2  1k  [R_0603_1608Metric]  107.49 113.15 0 bottom
R95  10k  [R_0603_1608Metric]  107.49 52.65 0 bottom
R95#2  10k  [R_0603_1608Metric]  107.49 111.65 0 bottom
R96  470  [R_0603_1608Metric]  110.59 116.95 270 bottom
R96#2  470  [R_0603_1608Metric]  110.59 57.95 270 bottom
R97  10k  [R_0603_1608Metric]  108.88 42 180 bottom
R97#2  10k  [R_0603_1608Metric]  108.88 101 180 bottom
R98  1k  [R_0603_1608Metric]  101.94 41.95 0 bottom
R98#2  1k  [R_0603_1608Metric]  101.94 100.95 0 bottom
R99  470  [R_0603_1608Metric]  101.94 45.15 180 bottom
R99#2  470  [R_0603_1608Metric]  101.94 104.15 180 bottom
R100  1k  [R_0603_1608Metric]  107.94 59.75 270 bottom
R100#2  1k  [R_0603_1608Metric]  107.94 118.75 270 bottom
R101  1k  [R_0603_1608Metric]  119.9 76.85 180 bottom
R101#2  1k  [R_0603_1608Metric]  119.9 17.85 180 bottom
R102  10k  [R_0603_1608Metric]  119.9 78.35 180 bottom
R102#2  10k  [R_0603_1608Metric]  119.9 19.35 180 bottom
R103  470  [R_0603_1608Metric]  116.8 73.05 90 bottom
R103#2  470  [R_0603_1608Metric]  116.8 14.05 90 bottom
R104  10k  [R_0603_1608Metric]  118.68 30 0 bottom
R104#2  10k  [R_0603_1608Metric]  118.68 89 0 bottom
R105  1k  [R_0603_1608Metric]  125.45 89.05 180 bottom
R105#2  1k  [R_0603_1608Metric]  125.45 30.05 180 bottom
R106  470  [R_0603_1608Metric]  125.45 26.85 0 bottom
R106#2  470  [R_0603_1608Metric]  125.45 85.85 0 bottom
R107  1k  [R_0603_1608Metric]  119.45 71.25 90 bottom
R107#2  1k  [R_0603_1608Metric]  119.45 12.25 90 bottom
R108  1k  [R_0603_1608Metric]  127.49 113.15 0 bottom
R108#2  1k  [R_0603_1608Metric]  127.49 54.15 0 bottom
R109  10k  [R_0603_1608Metric]  127.49 52.65 0 bottom
R109#2  10k  [R_0603_1608Metric]  127.49 111.65 0 bottom
R110  470  [R_0603_1608Metric]  130.59 116.95 270 bottom
R110#2  470  [R_0603_1608Metric]  130.59 57.95 270 bottom
R111  10k  [R_0603_1608Metric]  128.88 101 180 bottom
R111#2  10k  [R_0603_1608Metric]  128.88 42 180 bottom
R112  1k  [R_0603_1608Metric]  121.94 100.95 0 bottom
R112#2  1k  [R_0603_1608Metric]  121.94 41.95 0 bottom
R113  470  [R_0603_1608Metric]  121.94 45.15 180 bottom
R113#2  470  [R_0603_1608Metric]  121.94 104.15 180 bottom
R114  1k  [R_0603_1608Metric]  127.94 59.75 270 bottom
R114#2  1k  [R_0603_1608Metric]  127.94 118.75 270 bottom
R115  1k  [R_0603_1608Metric]  139.9 17.85 180 bottom
R115#2  1k  [R_0603_1608Metric]  139.9 76.85 180 bottom
R116  10k  [R_0603_1608Metric]  139.9 78.35 180 bottom
R116#2  10k  [R_0603_1608Metric]  139.9 19.35 180 bottom
R117  470  [R_0603_1608Metric]  136.8 73.05 90 bottom
R117#2  470  [R_0603_1608Metric]  136.8 14.05 90 bottom
R118  10k  [R_0603_1608Metric]  138.58 30 0 bottom
R118#2  10k  [R_0603_1608Metric]  138.58 89 0 bottom
R119  1k  [R_0603_1608Metric]  145.45 89.05 180 bottom
R119#2  1k  [R_0603_1608Metric]  145.45 30.05 180 bottom
R120  470  [R_0603_1608Metric]  145.45 26.85 0 bottom
R120#2  470  [R_0603_1608Metric]  145.45 85.85 0 bottom
R121  1k  [R_0603_1608Metric]  139.45 12.25 90 bottom
R121#2  1k  [R_0603_1608Metric]  139.45 71.25 90 bottom
R122  1k  [R_0603_1608Metric]  147.49 113.15 0 bottom
R122#2  1k  [R_0603_1608Metric]  147.49 54.15 0 bottom
R123  10k  [R_0603_1608Metric]  147.49 52.65 0 bottom
R123#2  10k  [R_0603_1608Metric]  147.49 111.65 0 bottom
R124  470  [R_0603_1608Metric]  150.59 116.95 270 bottom
R124#2  470  [R_0603_1608Metric]  150.59 57.95 270 bottom
R125  10k  [R_0603_1608Metric]  148.88 101 180 bottom
R125#2  10k  [R_0603_1608Metric]  148.88 42 180 bottom
R126  1k  [R_0603_1608Metric]  141.94 41.95 0 bottom
R126#2  1k  [R_0603_1608Metric]  141.94 100.95 0 bottom
R127  470  [R_0603_1608Metric]  141.94 104.15 180 bottom
R127#2  470  [R_0603_1608Metric]  141.94 45.15 180 bottom
R128  1k  [R_0603_1608Metric]  147.94 59.75 270 bottom
